# Altium PCB DIOT_8ch_isoSPI1.PcbDoc (part 3 of 5) (continued)
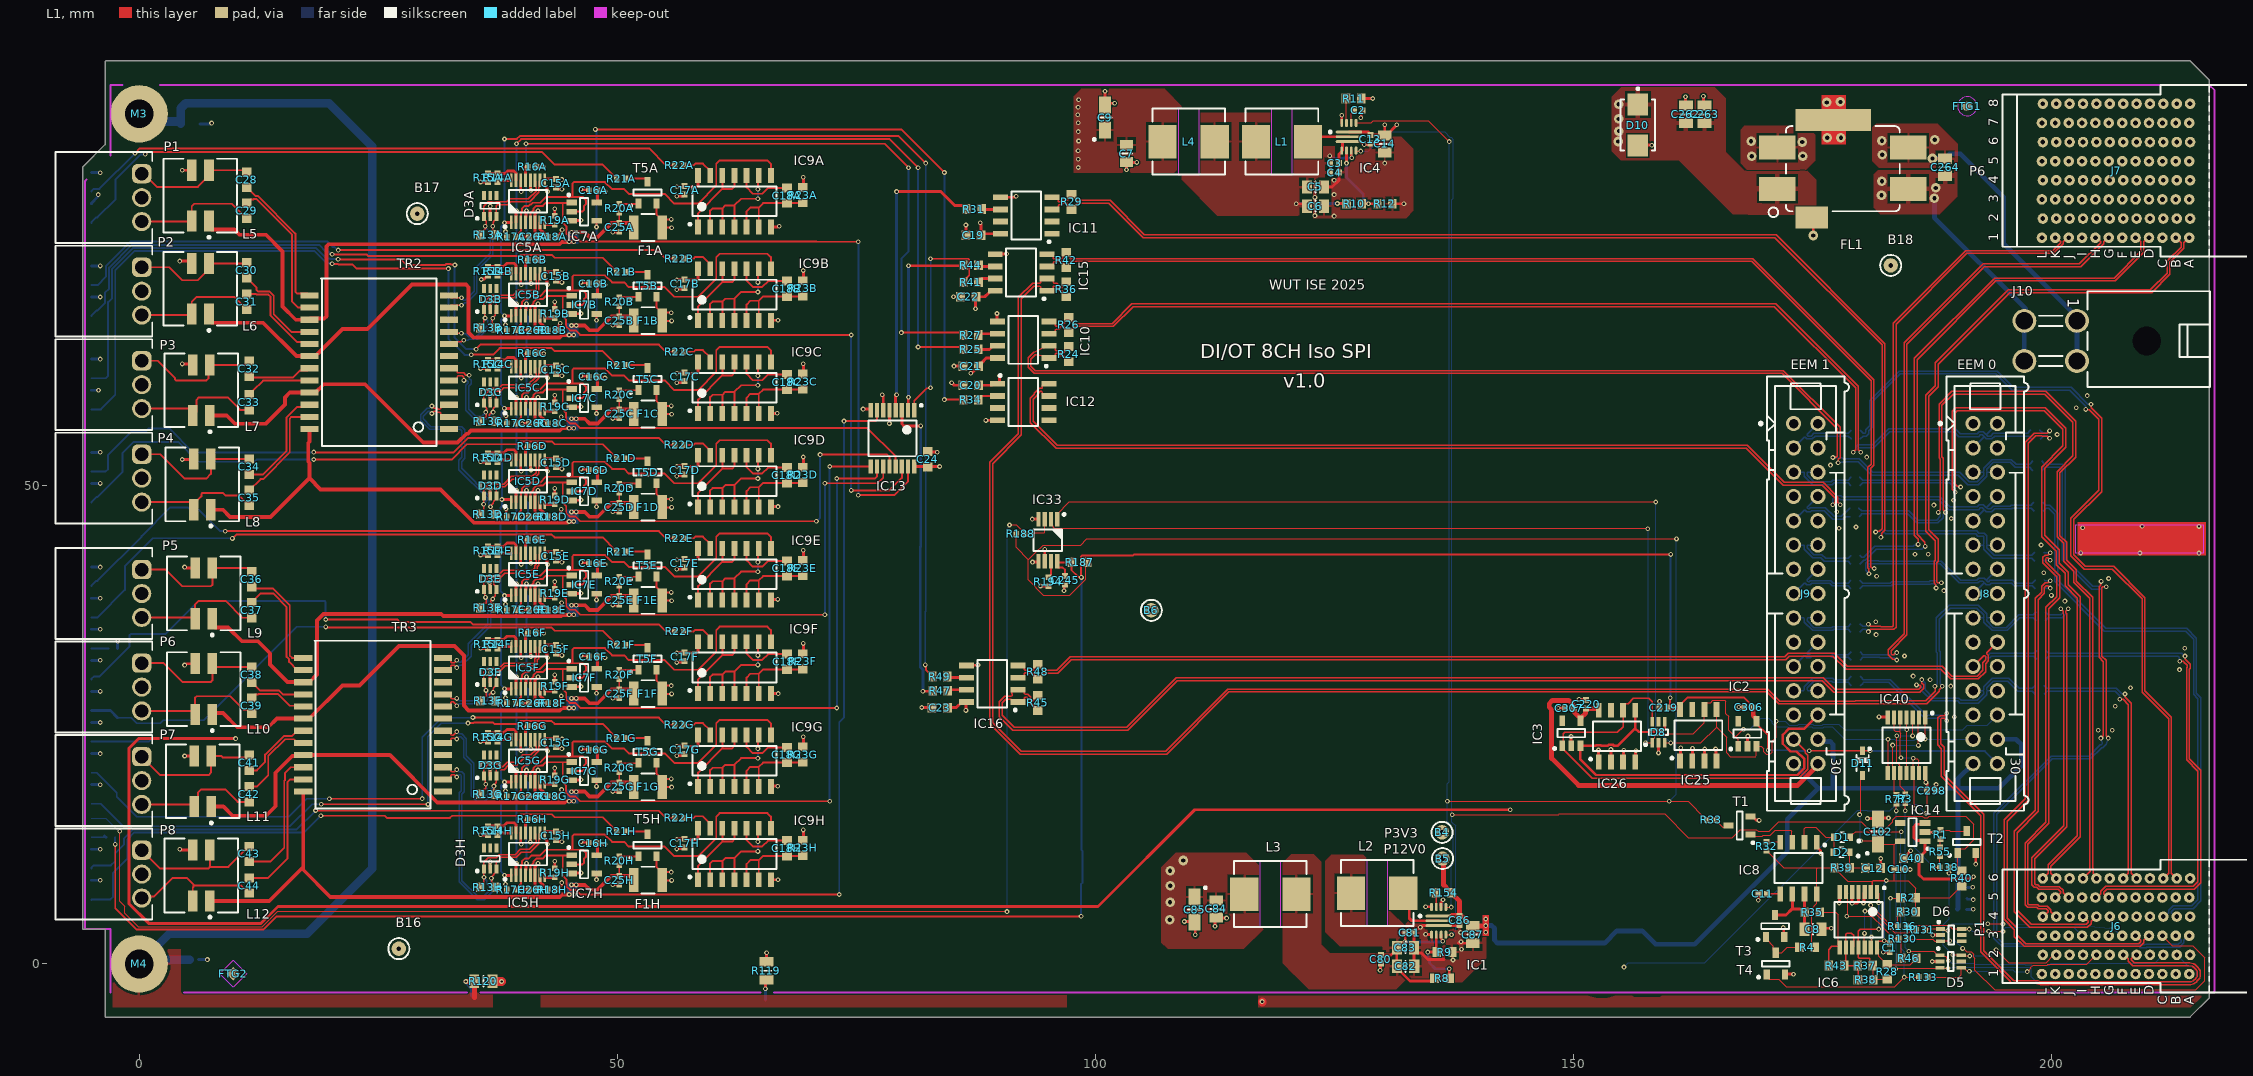
[diagram p0: L1 view]
## Nets (pads, with @x,y where several pads share a name; then routed paths per layer and width w, separated by ;. In a path a pad name is that pad's centre, name@x,y a point inside that pad or via, vN(x,y) a via of type N, cw(c..) or ccw(c..) an arc to the next point about the centre after c; other vN are vias at no path point) (continued)
  L1 w0.3: v1(4.25,12) 4.304,12 4.404,11.9 L12.3@5.6,11.9 ; v1(4.25,73.5) 5.25,73.5 L6.3@5.5,73.25 ; v1(4.5,52.75) 5.65,52.75 L8.3@5.7,52.8 ; v1(4.5,62.75) 5.5,62.75 L7.3@5.6,62.65 ; v1(4.5,83) L5.3@5.5,83 ; v1(4.75,21.75) L11.3@5.75,21.75 ; v1(4.75,31.25) 4.804,31.25 4.954,31.4 L10.3@5.85,31.4 ; v1(4.75,41.5) 4.804,41.5 4.904,41.4 L9.3@5.85,41.4 ; v1(35.704,13.52) 35.723,13.5 36.45,13.5 R15H.2@36.469,13.481 ; v1(35.704,23.27) 35.723,23.25 36.45,23.25 R15G.2@36.469,23.231 ; v1(35.704,33.02) 35.723,33.001 36.45,33.001 R15F.2@36.469,32.981 ; v1(35.704,42.77) 35.723,42.75 36.45,42.75 R15E.2@36.469,42.731 ; v1(35.704,52.52) 35.723,52.5 36.45,52.5 R15D.2@36.469,52.481 ; v1(35.704,62.27) 35.723,62.251 36.45,62.251 R15C.2@36.469,62.231 ; v1(35.704,81.77) 35.723,81.75 36.45,81.75 R15A.2@36.469,81.731 ; v1(35.763,71.577) 35.801,71.615 36.083,71.615 36.449,71.981 R15B.2@36.469,71.981 ; v1(36.636,39.902) 36.67,39.868 36.67,39.204 D3E.2@36.704,39.17 ; D3H.2@36.704,9.92 v1(36.704,10.671) ; D3G.2@36.704,19.67 v1(36.704,20.421) ; D3F.2@36.704,29.42 v1(36.704,30.501) ; D3D.2@36.704,48.92 v1(36.704,49.72) ; D3C.2@36.704,58.67 v1(36.704,59.421) ; D3B.2@36.704,68.42 v1(36.704,69.22) ; D3A.2@36.704,78.17 v1(36.704,79.251) ; IC5H.14@39.906,13.697 39.906,12.621 39.953,12.574 v1(39.953,12.52) ; IC5G.14@39.906,23.447 39.906,22.318 v1(39.931,22.293) ; IC5F.14@39.906,33.197 39.906,32.122 39.954,32.074 v1(39.954,32.02) ; IC5E.14@39.906,42.947 39.906,41.872 39.954,41.824 v1(39.954,41.77) ; IC5D.14@39.906,52.697 39.906,51.622 39.954,51.574 v1(39.954,51.52) ; IC5C.14@39.906,62.447 39.906,61.372 39.954,61.324 v1(39.954,61.27) ; IC5B.14@39.906,72.197 39.906,71.122 39.954,71.074 v1(39.954,71.02) ; IC5A.14@39.906,81.947 39.906,80.872 39.954,80.824 v1(39.954,80.77) ; v1(40.061,7.77) C26H.1@40.754,7.77 ; v1(40.061,17.52) C26G.1@40.754,17.52 ; v1(40.061,27.27) C26F.1@40.754,27.27 ; v1(40.061,37.02) C26E.1@40.754,37.02 ; v1(40.061,46.77) C26D.1@40.754,46.77 ; v1(40.061,56.52) C26C.1@40.754,56.52 ; v1(40.061,66.27) C26B.1@40.754,66.27 ; v1(40.061,76.02) C26A.1@40.754,76.02 ; R16H.1@41.591,15.118 41.604,15.105 42.302,15.105 v1(42.315,15.093) ; R16G.1@41.591,24.868 41.604,24.855 42.302,24.855 v1(42.315,24.843) ; R16F.1@41.591,34.618 41.604,34.605 42.302,34.605 v1(42.315,34.593) ; R16E.1@41.591,44.368 41.604,44.355 42.302,44.355 v1(42.315,44.343) ; R16D.1@41.591,54.118 41.604,54.105 42.302,54.105 v1(42.315,54.093) ; R16C.1@41.591,63.868 41.604,63.855 42.302,63.855 v1(42.315,63.843) ; R16B.1@41.591,73.618 41.604,73.605 42.302,73.605 v1(42.315,73.593) ; R16A.1@41.591,83.368 41.604,83.355 42.302,83.355 v1(42.315,83.343) ; v1(43.452,10.731) 43.452,9.992 R19H.1@43.454,9.99 ; v1(43.452,20.481) 43.452,19.742 R19G.1@43.454,19.74 ; v1(43.452,30.231) 43.452,29.492 R19F.1@43.454,29.49 ; v1(43.452,39.981) R19E.1@43.454,39.24 R19E.1@43.454,39.24 ; v1(43.452,49.731) 43.452,48.992 R19D.1@43.454,48.99 ; v1(43.452,59.481) R19C.1@43.454,58.74 R19C.1@43.454,58.74 ; v1(43.452,69.231) 43.452,68.492 R19B.1@43.454,68.49 ; v1(43.452,78.981) 43.452,78.242 R19A.1@43.454,78.24 ; C15H.1@43.581,12.955 43.728,12.808 44.166,12.808 v1(44.204,12.77) ; C15G.1@43.581,22.705 43.728,22.558 44.166,22.558 v1(44.204,22.52) ; C15F.1@43.581,32.455 43.728,32.308 44.166,32.308 v1(44.204,32.27) ; C15E.1@43.581,42.205 43.728,42.058 44.166,42.058 v1(44.204,42.02) ; C15D.1@43.581,51.955 43.728,51.808 44.166,51.808 v1(44.204,51.77) ; C15C.1@43.581,61.705 43.728,61.558 44.166,61.558 v1(44.204,61.52) ; C15B.1@43.581,71.455 43.728,71.308 44.166,71.308 v1(44.204,71.27) ; C15A.1@43.581,81.205 43.728,81.058 44.166,81.058 v1(44.204,81.02) ; R18H.1@43.674,7.77 43.674,7.79 44.158,8.274 44.158,8.471 v1(44.196,8.509) ; R18G.1@43.674,17.52 43.674,17.54 44.132,17.998 44.132,18.199 v1(44.171,18.237) ; R18F.1@43.674,27.27 43.674,27.29 44.107,27.723 44.107,27.978 v1(44.145,28.016) ; R18E.1@43.674,37.02 43.674,37.04 44.132,37.498 44.132,37.732 v1(44.171,37.77) ; R18D.1@43.674,46.77 43.674,46.79 44.107,47.223 44.107,47.511 v1(44.145,47.549) ; R18C.1@43.674,56.52 43.674,56.54 44.107,56.973 44.107,57.188 v1(44.145,57.226) ; R18B.1@43.674,66.27 43.814,66.41 43.814,66.723 44.031,66.939 v1(44.031,66.993) ; R18A.1@43.674,76.02 43.674,76.04 44.183,76.549 44.183,76.721 v1(44.221,76.759) ; IC7H.3@45.232,9.468 45.258,9.494 46.178,9.494 v1(46.204,9.52) ; IC7G.3@45.232,19.218 45.258,19.244 46.178,19.244 v1(46.204,19.27) ; IC7F.3@45.232,28.968 45.258,28.994 46.178,28.994 v1(46.204,29.02) ; IC7E.3@45.232,38.718 45.258,38.744 46.178,38.744 v1(46.204,38.77) ; IC7D.3@45.232,48.468 45.258,48.494 46.178,48.494 v1(46.204,48.52) ; IC7C.3@45.232,58.218 45.258,58.244 46.178,58.244 v1(46.204,58.27) ; IC7B.3@45.232,67.968 45.258,67.994 46.178,67.994 v1(46.204,68.02) ; IC7A.3@45.232,77.718 45.258,77.744 46.178,77.744 v1(46.204,77.77) ; v1(46.204,12.77) 46.242,12.732 46.921,12.732 C16H.1@47.01,12.643 ; v1(46.204,22.52) 46.242,22.482 46.921,22.482 C16G.1@47.01,22.393 ; v1(46.204,32.27) 46.242,32.232 46.921,32.232 C16F.1@47.01,32.143 ; v1(46.204,42.02) 46.242,41.982 46.921,41.982 C16E.1@47.01,41.893 ; v1(46.204,51.77) 46.242,51.732 46.921,51.732 C16D.1@47.01,51.643 ; v1(46.204,61.52) 46.242,61.482 46.921,61.482 C16C.1@47.01,61.393 ; v1(46.204,71.27) 46.242,71.232 46.921,71.232 C16B.1@47.01,71.143 ; v1(46.204,81.02) 46.242,80.982 46.921,80.982 C16A.1@47.01,80.893 ; v1(49.529,8.285) 49.546,8.303 50.187,8.303 C25H.1@50.204,8.32 ; v1(49.529,18.035) 49.546,18.053 50.187,18.053 C25G.1@50.204,18.07 ; v1(49.529,27.785) 49.546,27.803 50.187,27.803 C25F.1@50.204,27.82 ; v1(49.529,37.535) 49.546,37.553 50.187,37.553 C25E.1@50.204,37.57 ; v1(49.529,47.285) 49.546,47.303 50.187,47.303 C25D.1@50.204,47.32 ; v1(49.529,57.035) 49.546,57.053 50.187,57.053 C25C.1@50.204,57.07 ; v1(49.529,66.785) 49.546,66.803 50.187,66.803 C25B.1@50.204,66.82 ; v1(49.529,76.535) 49.546,76.553 50.187,76.553 C25A.1@50.204,76.57 ; v1(56.204,12.02) 56.242,12.058 56.908,12.058 C17H.1@57.043,12.193 ; v1(56.204,21.77) 56.242,21.808 56.908,21.808 C17G.1@57.043,21.943 ; v1(56.204,31.52) 56.242,31.558 56.908,31.558 C17F.1@57.043,31.693 ; v1(56.204,41.27) 56.242,41.308 56.908,41.308 C17E.1@57.043,41.443 ; v1(56.204,51.02) 56.242,51.058 56.908,51.058 C17D.1@57.043,51.193 ; v1(56.204,60.77) 56.242,60.808 56.908,60.808 C17C.1@57.043,60.943 ; v1(56.204,70.52) 56.242,70.558 56.908,70.558 C17B.1@57.043,70.693 ; v1(56.204,80.27) 56.242,80.308 56.908,80.308 C17A.1@57.043,80.443 ; R119.2@65.583,0.239 65.608,0.264 v1(65.608,1.168) ; IC9H.7@66.06,8.8 66.074,8.814 v1(66.802,8.814) ; IC9G.7@66.06,18.55 66.103,18.593 v1(66.777,18.593) ; IC9F.7@66.06,28.3 66.09,28.27 v1(66.827,28.27) ; IC9E.7@66.06,38.05 66.135,38.125 v1(66.777,38.125) ; IC9D.7@66.06,47.8 66.088,47.828 v1(66.802,47.828) ; IC9C.7@66.06,57.55 66.092,57.582 v1(66.726,57.582) ; IC9B.7@66.06,67.3 66.07,67.31 v1(66.802,67.31) ; IC9A.7@66.06,77.05 66.785,77.05 66.875,77.14 v1(66.929,77.14) ; v1(75.704,58.02) 76.429,58.02 76.504,57.945 IC13.8@76.504,57.92 ; v1(78.454,56.52) IC13.5@78.454,57.92 ; v1(81.839,26.822) 82.902,26.822 C23.1@82.916,26.808 ; C24.2@82.454,53.57 82.504,53.52 v1(83.454,53.52) ; v1(84.954,60.77) 84.979,60.77 85.229,60.52 C20.2@86.154,60.52 ; v1(85.154,69.77) C22.2@85.904,69.77 ; v1(85.204,62.52) C21.1@86.154,62.52 ; C19.2@86.445,76.196 86.454,76.205 v1(86.454,77.27) ; IC16.5@86.516,31.213 86.545,31.241 87.675,31.241 v1(87.704,31.27) ; v1(88.544,56.845) 88.554,56.855 89.744,56.855 IC12.4@89.754,56.865 ; IC15.5@89.516,74.213 89.544,74.241 90.676,74.241 v1(90.704,74.27) ; v1(89.704,68.02) 89.704,67.225 IC10.5@89.754,67.175 ; IC11.5@90.054,80.175 91.555,80.175 91.65,80.27 v1(91.704,80.27) ; v1(93.394,46.517) 94.032,46.517 IC33.4@94.042,46.507 ; v1(93.42,42.021) 93.967,42.021 94.042,42.096 IC33.5@94.042,42.107 ; v1@94.233,39.532 v1(94.239,39.525) 95.064,39.525 R194.1@95.071,39.519 ; IC33.6@94.692,42.107 94.703,42.119 v1(94.703,43.355) v1@94.715,43.367 ; v1(96.704,39.02) 96.742,39.058 96.742,39.61 C245.1@96.823,39.691 ; v1(101,91.25) C9.2@101,89.8 101.2,90 v1(102,90) ; v1(103.25,83.05) C7.1@103.25,83.85 103.28,83.82 v1(104.318,83.82) ; v1(109.296,4.445) 110.308,4.445 C85.2@110.363,4.39 110.439,4.313 v1(110.439,3.048) ; v1(112.497,3.937) 112.497,4.728 C84.1@112.624,4.855 112.678,4.801 v1(113.716,4.801) ; C5.1@123.9,81.25 124.75,81.25 125.45,81.95 C4.1@125.45,82.75 C3.1@125.45,83.75 125.45,84.677 125.823,85.05 125.823,86 IC4.3@126.5,86 127.725,86 v1@128.075,85.65 ; IC4.11@125.75,87.95 v1(125.75,88.75) ; v1(127.75,88.5) 127.75,88.554 127.79,88.594 127.79,89.09 C2.1@127.95,89.25 ; v1(128.111,85.686) C13.1@128.75,85.686 ; C13.1@128.75,85.8 129.587,85.8 129.763,85.624 129.763,85.225 130.138,84.85 C14.1@130.25,84.85 ; v1(129.769,-0.66) 129.807,-0.622 129.807,-0.005 C80.1@129.845,0.033 ; R12.1@131.05,79.5 v1(132.25,79.5) ; C83.1@133.31,1.702 133.31,1.527 C83.1@133.317,1.52 ; C83.1@133.317,1.702 C81.1@133.317,3.277 133.851,3.81 133.887,3.81 133.934,3.857 133.934,3.893 133.941,3.886 134.072,3.886 134.198,4.013 137.991,4.013 C86.1@138.074,4.097 ; C82.1@133.336,-0.254 133.317,-0.236 C83.1@133.317,1.52 ; v1(134.518,3.099) 134.536,3.081 135.14,3.081 IC1.4@135.14,3.063 ; v1(134.518,5.994) 134.534,5.979 135.14,5.979 IC1.11@135.14,5.963 ; 136.454,0.473 134.773,0.473 134.095,1.152 133.685,1.152 C83.1@133.317,1.52 ; R9.1@137.231,1.25 R9.1@137.3,1.25 R9.1@137.579,1.529 ; 137.95,2.173 C87.1@139.471,2.173 ; v1(148.387,26.772) 148.399,26.759 149.1,26.759 C307.1@149.112,26.746 ; v1(149.733,23.774) 149.746,23.762 149.746,22.843 IC3.2@149.758,22.83 ; v1(150.571,27.686) 150.609,27.648 151.27,27.648 C220.1@151.308,27.61 ; v1(152.603,22.377) 152.616,22.365 152.616,21.138 IC26.1@152.629,21.125 ; IC26.2@153.899,21.125 v1(153.899,22.428) ; IC26.3@155.169,21.125 155.207,21.163 155.207,22.314 v1(155.245,22.352) ; IC26.4@156.439,21.125 156.477,21.163 156.477,22.263 v1(156.515,22.301) ; D10.2@156.718,85.582 156.76,85.623 v1(158.191,85.623) ; v1(158.877,22.073) D8.2@158.877,23.132 ; v1(158.979,27.457) 158.982,27.454 158.982,26.801 C219.1@158.986,26.797 ; IC25.1@161.138,21.227 161.167,21.256 161.167,22.577 v1(161.196,22.606) ; v1(161.696,90.678) 161.696,89.794 C262.1@161.739,89.751 ; IC25.2@162.408,21.227 162.42,21.24 162.42,22.543 v1(162.433,22.555) ; v1(163.576,90.729) 163.576,89.864 C263.1@163.689,89.751 ; IC25.3@163.678,21.227 163.69,21.24 163.69,22.466 v1(163.703,22.479) ; v1(164.846,22.479) 164.884,22.441 164.884,21.29 IC25.4@164.948,21.227 ; v1(167.259,26.873) 167.272,26.86 167.863,26.86 C306.1@167.876,26.848 ; IC2.2@168.173,22.779 168.199,22.805 168.199,23.8 v1(168.224,23.825) ; T1.2@168.511,15.428 168.711,15.428 169.089,15.05 169.354,15.05 v1(169.393,15.011) ; v1(169.316,6.68) C11.1@169.316,7.341 ; v1(171.933,3.81) 171.971,3.772 171.971,2.861 T3.2@172.019,2.812 ; T4.2@172.095,-1.125 172.153,-1.067 v1(172.999,-1.067) ; FL1.4@174.906,78.06 175.057,77.909 v2(175.057,76.175) ; IC8.1@175.412,12.733 175.412,12.258 175.806,11.864 175.806,11.595 v1(175.844,11.557) ; C8.1@175.931,3.632 176.033,3.734 v1(176.936,3.734) ; v1(177.775,6.375) 177.803,6.404 177.803,7.484 IC6.7@177.831,7.513 ; v1(179.121,6.35) v1@179.126,6.355 ; IC6.5@179.131,7.513 179.126,7.507 v1@179.126,6.355 ; IC6.4@179.781,7.513 179.781,6.5 179.669,6.388 179.159,6.388 v1@179.126,6.355 ; v1(180.315,6.375) 180.315,6.43 180.356,6.471 180.356,7.438 IC6.3@180.431,7.513 ; v1(180.721,15.215) 181.767,15.215 C102.2@181.839,15.143 181.961,15.265 v1(182.931,15.265) ; v1(181.94,25.832) 182.814,25.832 IC40.7@182.86,25.785 ; C12.1@182.105,10.033 182.118,10.046 v1(182.118,11.024) ; v1(182.372,1.219) 182.376,1.223 183.054,1.223 C1.1@183.058,1.226 ; C10.1@184.448,9.881 v1(185.191,9.881) ; C40.1@184.518,11.074 184.518,11.099 185.242,11.823 v1(185.242,11.836) ; IC14.2@186.745,13.792 186.758,13.779 187.667,13.779 v1(187.679,13.767) ; v1(187.503,0.254) D5.2@188.333,0.254 ; v1(187.554,3.023) D6.2@188.384,3.023 ; C298.1@187.877,18.11 187.893,18.126 187.893,18.754 v1(187.909,18.771) ; v1(192.049,10.439) 192.055,10.445 192.055,11.596 T2.2@192.06,11.601
  L4 w0.3: LD19.1@-5,8.75 v1(-4.075,8.75) ; LD18.1@-5,12 v1(-4.075,12) ; LD17.1@-5,18.75 v1(-4.075,18.75) ; LD16.1@-5,22 v1(-4.075,22) ; LD4.1@-5,25.25 v1(-4.075,25.25) ; LD15.1@-5,28.5 v1(-4.075,28.5) ; LD14.1@-5,31.75 v1(-4.075,31.75) ; LD2.1@-5,35 v1(-4.075,35) ; LD13.1@-5,38.25 v1(-4.075,38.25) ; LD12.1@-5,41.5 v1(-4.075,41.5) ; LD11.1@-5,50.25 v1(-4.075,50.25) ; LD10.1@-5,53.5 v1(-4.075,53.5) ; LD9.1@-5,60 v1(-4.25,60) ; LD8.1@-5,63.25 v1(-4.075,63.25) ; LD7.1@-5,69.75 v1(-4.075,69.75) ; LD6.1@-5,73 v1(-4.075,73) ; LD5.1@-5,79.5 -5,79.55 -4.311,80.239 -4.311,80.412 v1(-4.273,80.45) ; LD3.1@-5,82.75 v1(-4.075,82.75) ; C212.2@6.198,0.45 6.202,0.454 7.134,0.454 v1(7.137,0.457) ; R126.2@6.348,87.85 7.43,87.85 7.515,87.935 v1(7.569,87.935) ; v1(134.518,5.994) 134.534,5.979 135.174,5.979 C79.1@135.19,5.963
  other v1: 137.39,0.419 138.279,1.537 138.228,2.324 138.177,3.289 133.979,3.848 204.873,24.433 206.32,24.433 189.814,25.832 206.629,26.949 208.229,28.88 189.429,29.056 187.274,29.718 185.496,30.099 213.356,30.783 184.607,32.207 213.915,33.018 181.632,34.441 181.606,35.787 201.371,37.948 199.963,38.541 188.722,39.04 205.943,40.31 181.686,40.538 199.161,40.919 185.699,42.85 187.096,42.85 215.399,42.965 203.029,42.99 209.221,42.978 198.882,43.815 177.749,45.568 203.227,45.62 179.527,45.695 215.399,45.759 209.45,45.772 189.484,46.584 177.521,47.295 187.681,47.981 189.738,48.489 176.86,52.172 180.654,53 200.558,55.372 202.565,58.166 203.708,59.436 124.951,78.208 122.951,78.258 122.951,80.158 124.951,80.458 124.951,81.958 130.25,83.75
  other v2: 168.631,84.455 173.965,84.48 173.914,85.954 168.554,86.03 177.952,86.385 176.53,86.411 176.479,90.094 177.902,90.145
I2C_SCL1: D8.6 IC3.1 IC26.6 J9.27 | length 47
  L1 w0.152: D8.6@158.227,25.332 158.227,27.422 157.861,27.788 156.261,27.788 155.697,27.224 155.392,27.224 155.169,27 IC26.6@155.169,26.525 155.169,24.816 154.584,24.232 149.098,24.232 148.92,24.054 148.92,22.942 IC3.1@148.808,22.83 148.808,22.58 151.957,19.431 173.546,19.431 174.46,20.345 174.46,21.851 174.197,22.113 174.197,22.295 J9.27@173.003,23.489
I2C_SDA1: D8.4 IC3.3 IC26.5 J9.26 | length 47.8
  L1 w0.254: IC26.5@156.439,26.525 156.439,24.638 ; D8.4@159.527,25.332 159.527,24.544 159.378,24.396 158.644,24.396 158.506,24.257 156.82,24.257 156.439,24.638 ; J9.26@175.543,26.029 174.13,24.616 172.536,24.616 171.876,23.956 171.876,23.022 172.679,22.219 173.327,22.219 174.13,21.416 174.13,20.482 173.409,19.761 152.344,19.761 150.708,21.397 IC3.3@150.708,22.83 152.343,22.83 152.394,22.881 152.812,22.881 152.863,22.83 153.588,22.83 153.69,22.932 154.107,22.932 154.21,22.83 154.631,22.83 156.439,24.638
ISOA_N: D3A.3 IC5A.10 R13A.2 TR2.11 | length 20.3
  L1 w0.14: TR2.11@32.404,68.64 32.652,68.888 v1(33.704,68.888) ; R13A.2@36.97,76.574 v1(36.97,77.14) 37.034,77.204 37.034,77.547 37.101,77.613 37.101,77.642 37.354,77.895 D3A.3@37.354,78.17 ; D3A.3@37.354,78.308 37.354,79.316 37.436,79.398 38.55,79.398 38.862,79.71 40.824,79.71 41.806,80.692 41.806,81.235 41.826,81.255 41.826,81.867 IC5A.10@41.906,81.947
  L4 w0.14: v1(33.704,68.888) 33.801,68.888 34.039,69.125 34.241,69.125 35.316,70.2 35.316,72.507 36.992,74.183 36.992,76.439 36.901,76.529 36.901,77.071 v1(36.97,77.14)
ISOA_P: D3A.1 IC5A.11 R13A.1 TR2.12 | length 20.9
  L1 w0.14: TR2.12@32.404,69.91 32.652,69.662 v1(33.704,69.662) ; R13A.1@36.034,76.7 36.304,76.97 36.304,77.645 36.054,77.895 D3A.1@36.054,78.17 ; D3A.1@36.172,78.288 36.054,78.405 36.054,79.233 36.519,79.698 36.889,79.698 36.919,79.668 37.282,79.668 37.312,79.698 38.426,79.698 38.738,80.01 40.7,80.01 41.506,80.816 41.506,81.235 41.486,81.255 41.486,81.867 IC5A.11@41.406,81.947
  L4 w0.14: v1(33.704,69.662) 33.729,69.662 33.966,69.425 34.117,69.425 35.016,70.324 35.016,72.632 36.692,74.307 36.692,76.314 36.462,76.544 36.462,76.776 36.195,77.042 v1(36.195,77.14)
ISOB_N: D3B.3 IC5B.10 R13B.2 TR2.8 | length 15.8
  L1 w0.14: TR2.8@32.404,64.83 32.654,65.08 33.704,65.08 33.839,65.214 v1(33.936,65.214) ; R13B.2@36.898,66.926 36.898,67.342 36.979,67.423 36.979,67.617 37.224,67.862 37.224,68.29 D3B.3@37.354,68.42 37.354,69.202 37.131,69.425 37.131,69.566 37.213,69.648 39.239,69.648 39.726,70.134 41.548,70.134 41.806,70.392 41.806,71.485 41.826,71.505 41.826,72.117 IC5B.10@41.906,72.197
  L4 w0.14: v1(33.936,65.214) 33.967,65.245 34.396,65.245 34.466,65.315 35.366,65.315 36.741,66.69 36.741,67.258 36.979,67.495 v1(36.979,67.52)
ISOB_P: D3B.1 IC5B.11 R13B.1 TR2.9 | length 15.7
  L1 w0.14: TR2.9@32.404,66.1 32.553,65.951 v1(33.696,65.951) ; R13B.1@36.034,66.95 36.034,67.319 36.171,67.456 v1(36.171,67.553) 36.135,67.589 36.135,68.339 D3B.1@36.054,68.42 36.054,69.202 36.8,69.948 39.115,69.948 39.601,70.434 41.424,70.434 41.506,70.516 41.506,71.485 41.486,71.505 41.486,72.117 IC5B.11@41.406,72.197
  L4 w0.14: v1(33.696,65.951) 33.722,65.925 34.156,65.925 34.466,65.615 35.242,65.615 36.441,66.814 36.441,67.258 36.171,67.529 v1(36.171,67.553)
ISOC_N: D3C.3 IC5C.10 R13C.2 TR2.5 | length 19.9
  L1 w0.14: TR2.5@32.404,61.02 32.997,61.02 33.247,61.27 33.247,61.423 33.329,61.505 33.805,61.505 33.937,61.373 33.937,61.037 v1(33.954,61.02) ; R13C.2@37.254,56.77 37.254,56.803 36.874,57.183 36.686,57.183 36.604,57.265 36.604,57.413 36.773,57.582 36.783,57.582 36.91,57.709 v1(37.008,57.709) 37.034,57.735 37.034,58.047 37.101,58.113 37.101,58.142 37.354,58.395 D3C.3@37.354,58.67 37.354,59.403 37.057,59.7 37.057,59.816 37.139,59.898 37.76,59.898 38.109,60.247 40.78,60.247 41.806,61.273 41.806,61.735 41.826,61.755 41.826,62.367 IC5C.10@41.906,62.447
  L4 w0.14: v1(33.954,61.02) 33.971,61.003 34.307,61.003 34.414,60.896 34.414,60.78 34.154,60.52 34.154,57.896 35.08,56.97 36.269,56.97 v1(37.008,57.709)
ISOC_P: D3C.1 IC5C.11 R13C.1 TR2.6 | length 19.3
  L1 w0.14: TR2.6@32.404,62.29 32.997,62.29 33.247,62.04 33.247,61.887 33.329,61.805 33.929,61.805 34.149,61.585 34.485,61.585 v1(34.502,61.568) ; R13C.1@35.654,56.79 R13C.1@35.654,56.77 35.654,56.803 36.034,57.183 36.222,57.183 36.304,57.265 36.304,57.413 36.304,57.55 36.348,57.594 v1@36.302,57.64 ; v1(36.233,57.709) v1@36.302,57.64 ; v1@36.302,57.55 v1@36.302,57.64 ; IC5C.11@41.406,62.447 41.486,62.367 41.486,61.755 41.506,61.735 41.506,61.397 40.656,60.547 37.985,60.547 37.636,60.198 36.849,60.198 36.054,59.403 D3C.1@36.054,58.67 36.054,58.395 36.307,58.142 36.307,58.113 36.334,58.087 36.334,57.907 36.302,57.875 v1@36.302,57.64
  L4 w0.14: v1(34.502,61.568) 34.519,61.551 34.519,61.215 34.714,61.02 34.714,60.656 34.454,60.396 34.454,58.02 35.204,57.27 35.922,57.27 35.922,57.369 36.233,57.68 v1(36.233,57.709)
ISOD_N: D3D.3 IC5D.10 R13D.2 TR2.2 | length 27.8
  L1 w0.14: v1(30.607,57.569) 30.632,57.569 30.869,57.806 31.036,57.806 31.147,57.695 31.442,57.695 31.524,57.613 31.524,57.46 31.774,57.21 TR2.2@32.404,57.21 ; R13D.2@37.254,47.02 36.874,47.4 36.874,47.571 36.74,47.705 36.74,47.9 37.015,48.175 37.015,48.277 37.101,48.363 37.101,48.392 37.354,48.645 37.354,49.754 37.49,49.89 38.224,49.89 39.031,50.697 41.243,50.697 41.806,51.26 41.806,51.985 41.826,52.005 41.826,52.617 IC5D.10@41.906,52.697
  L4 w0.14: v1(30.607,57.569) 30.572,57.569 30.345,57.796 30.229,57.796 29.725,57.292 29.725,56.989 30.515,56.199 33.725,56.199 34.05,55.874 34.05,52.876 33.712,52.538 33.712,51.83 36.678,48.864 36.678,48.391 36.536,48.249 36.536,48.064 36.74,47.861 v1(36.74,47.802)
ISOD_P: D3D.1 IC5D.11 R13D.1 TR2.3 | length 28.7
  L1 w0.14: v1(30.607,58.344) 30.632,58.344 30.869,58.106 31.16,58.106 31.271,57.995 31.442,57.995 31.524,58.077 31.524,58.23 31.774,58.48 TR2.3@32.404,58.48 ; R13D.1@35.654,47.02 36.017,47.383 v1(36.017,48.082) 36.036,48.101 36.036,48.902 D3D.1@36.054,48.92 36.054,49.702 36.542,50.19 38.1,50.19 38.907,50.997 41.119,50.997 41.506,51.384 41.506,51.985 41.486,52.005 41.486,52.617 IC5D.11@41.406,52.697
  L4 w0.14: v1(30.607,58.344) 30.582,58.344 30.335,58.096 30.105,58.096 29.425,57.417 29.425,56.864 30.391,55.899 33.601,55.899 33.75,55.75 33.75,53 33.412,52.662 33.412,51.706 36.378,48.74 36.378,48.515 36.236,48.374 36.236,48.344 36.017,48.125 v1(36.017,48.082)
ISOE_N: D3E.3 IC5E.10 R13E.2 TR3.11 | length 20.9
  L1 w0.14: TR3.11@31.754,30.735 32.347,30.735 32.597,30.985 32.597,31.138 32.679,31.22 32.942,31.22 33.167,30.995 v1(33.204,30.995) ; v1(36.979,38.171) 36.773,37.965 36.773,37.907 36.773,37.893 ccw(c37.133,37.959) 36.855,37.72 36.857,37.718 36.874,37.7 R13E.2@37.254,37.27 ; v1(36.979,38.171) 36.979,38.268 37.224,38.513 37.224,38.765 37.354,38.895 D3E.3@37.354,39.17 37.354,39.445 37.101,39.698 37.101,39.871 37.083,39.889 37.083,40.029 37.165,40.111 37.473,40.111 38.21,40.848 41.247,40.848 41.651,41.252 41.651,41.537 41.806,41.692 41.806,42.235 41.826,42.255 41.826,42.867 IC5E.10@41.906,42.947
  L4 w0.14: v1(33.204,30.995) 33.229,30.995 33.466,31.233 33.741,31.233 34.704,32.195 34.704,33.346 36.741,35.383 36.741,36.943 36.727,36.958 36.727,37.909 36.979,38.161 v1(36.979,38.171)
ISOE_P: D3E.1 IC5E.11 R13E.1 TR3.12 | length 21.1
  L1 w0.14: TR3.12@31.754,32.005 32.347,32.005 32.597,31.755 32.597,31.602 32.679,31.52 32.929,31.52 33.179,31.77 v1(33.204,31.77) ; R13E.1@35.654,37.27 35.654,37.32 36.034,37.7 36.222,37.7 36.304,37.782 36.304,37.898 36.289,37.913 36.289,38.26 36.152,38.397 36.152,39.072 D3E.1@36.054,39.17 36.054,39.953 36.513,40.411 37.349,40.411 38.086,41.148 41.123,41.148 41.351,41.377 41.351,41.661 41.506,41.816 41.506,42.235 41.486,42.255 41.486,42.867 IC5E.11@41.406,42.947
  L4 w0.14: v1(33.204,31.77) 33.229,31.77 33.466,31.533 33.617,31.533 34.404,32.319 34.404,33.47 36.441,35.508 36.441,36.819 36.427,36.834 36.427,38.067 36.22,38.273 v1(36.22,38.329)
ISOF_N: D3F.3 IC5F.10 R13F.2 TR3.8 | length 17
  L1 w0.14: TR3.8@31.754,26.925 32.347,26.925 32.597,27.175 32.597,27.328 32.679,27.41 32.836,27.41 33.204,27.042 v1(33.204,26.995) ; v1@36.996,28.409 37.034,28.448 37.034,28.797 37.101,28.863 37.101,28.892 37.354,29.145 37.354,30.566 37.436,30.648 37.76,30.648 38.282,31.171 41.393,31.171 41.651,31.428 41.651,31.787 41.806,31.942 41.806,32.485 41.826,32.505 41.826,33.117 IC5F.10@41.906,33.197 ; v1(37.008,28.397) 36.939,28.328 36.784,28.328 36.604,28.148 36.604,28.032 36.686,27.95 36.874,27.95 37.254,27.57 R13F.2@37.254,27.52
  L4 w0.14: v1(33.204,26.995) 33.229,26.995 33.466,27.233 36.484,27.233 36.767,27.516 36.767,28.135 37.008,28.376 v1(37.008,28.397)
ISOF_P: D3F.1 IC5F.11 R13F.1 TR3.9 | length 17.2
  L1 w0.14: TR3.9@31.754,28.195 32.347,28.195 32.597,27.945 32.597,27.792 32.679,27.71 33.144,27.71 v1(33.204,27.77) ; R13F.1@35.654,27.52 35.654,27.57 36.034,27.95 36.222,27.95 36.304,28.032 36.304,28.566 36.193,28.677 36.193,29.006 36.054,29.145 36.054,30.483 36.519,30.948 36.889,30.948 36.919,30.918 37.282,30.918 37.312,30.948 37.636,30.948 38.158,31.471 41.269,31.471 41.351,31.553 41.351,31.911 41.506,32.066 41.506,32.485 41.486,32.505 41.486,33.117 IC5F.11@41.406,33.197
  L4 w0.14: v1(33.204,27.77) 33.229,27.77 33.466,27.533 36.359,27.533 36.467,27.64 36.467,28.346 36.262,28.551 v1(36.262,28.608)
ISOG_N: D3G.3 IC5G.10 R13G.2 TR3.5 | length 22
  L1 w0.14: TR3.5@31.754,23.115 32.347,23.115 32.597,23.365 32.597,23.518 32.679,23.6 32.942,23.6 32.953,23.589 33.135,23.589 v1(33.204,23.52) ; R13G.2@37.254,17.77 37.098,17.926 v1(37.098,18.596) 37.354,19.012 37.354,20.466 37.436,20.548 37.552,20.548 37.789,20.311 38.153,20.311 38.612,20.77 39.464,20.77 40.259,21.565 41.083,21.565 41.806,22.288 41.806,22.735 41.826,22.755 41.826,23.367 IC5G.10@41.906,23.447
  L4 w0.14: v1(33.204,23.52) 33.229,23.52 33.466,23.758 33.617,23.758 33.926,23.448 33.926,21.624 34.704,20.846 34.704,17.596 35.28,17.02 36.128,17.02 36.741,17.633 36.741,18.203 37.098,18.56 v1(37.098,18.596)
ISOG_P: D3G.1 IC5G.11 R13G.1 TR3.6 | length 22.9
  L1 w0.14: TR3.6@31.754,24.385 32.347,24.385 32.597,24.135 32.597,23.982 32.679,23.9 32.836,23.9 33.204,24.268 v1(33.204,24.295) ; R13G.1@35.654,17.77 35.654,17.79 36.034,18.17 36.034,18.2 36.232,18.398 36.232,18.782 v1(36.246,18.796) 36.177,18.865 36.177,19.272 36.054,19.395 D3G.1@36.054,19.67 36.054,20.403 36.519,20.868 37.656,20.868 37.913,20.611 38.029,20.611 38.488,21.07 39.34,21.07 40.135,21.865 40.959,21.865 41.506,22.412 41.506,22.735 41.486,22.755 41.486,23.367 IC5G.11@41.406,23.447
  L4 w0.14: v1(33.204,24.295) 33.229,24.295 33.466,24.058 33.741,24.058 34.226,23.573 34.226,21.748 35.004,20.97 35.004,17.72 35.404,17.32 36.004,17.32 36.441,17.757 36.441,18.223 36.315,18.35 36.315,18.727 v1(36.246,18.796)
ISOH_N: D3H.3 IC5H.10 R13H.2 TR3.2 | length 29.3
  L1 w0.14: TR3.2@31.754,19.305 32.347,19.305 32.597,19.555 32.597,19.708 32.679,19.79 32.942,19.79 33.179,19.553 v1(33.204,19.553) ; R13H.2@37.254,8.02 36.874,8.4 36.874,8.922 v1(36.83,8.966) 36.83,9.064 37.101,9.335 37.101,9.392 37.354,9.645 D3H.3@37.354,9.92 37.354,10.638 37.436,10.72 37.528,10.72 37.704,10.896 37.704,11.054 37.786,11.136 39.432,11.136 39.98,11.684 40.899,11.684 41.806,12.591 41.806,12.985 41.826,13.005 41.826,13.617 IC5H.10@41.906,13.697
  L4 w0.14: v1(33.204,19.553) 33.229,19.553 33.466,19.79 33.617,19.79 33.699,19.708 33.699,18.139 33.454,17.894 33.454,8.596 35.33,6.72 36.088,6.72 36.992,7.624 36.992,8.189 36.788,8.392 36.788,8.924 v1(36.83,8.966)